# Altium PCB PCB1.PcbDoc (part 1 of 2) (continued)
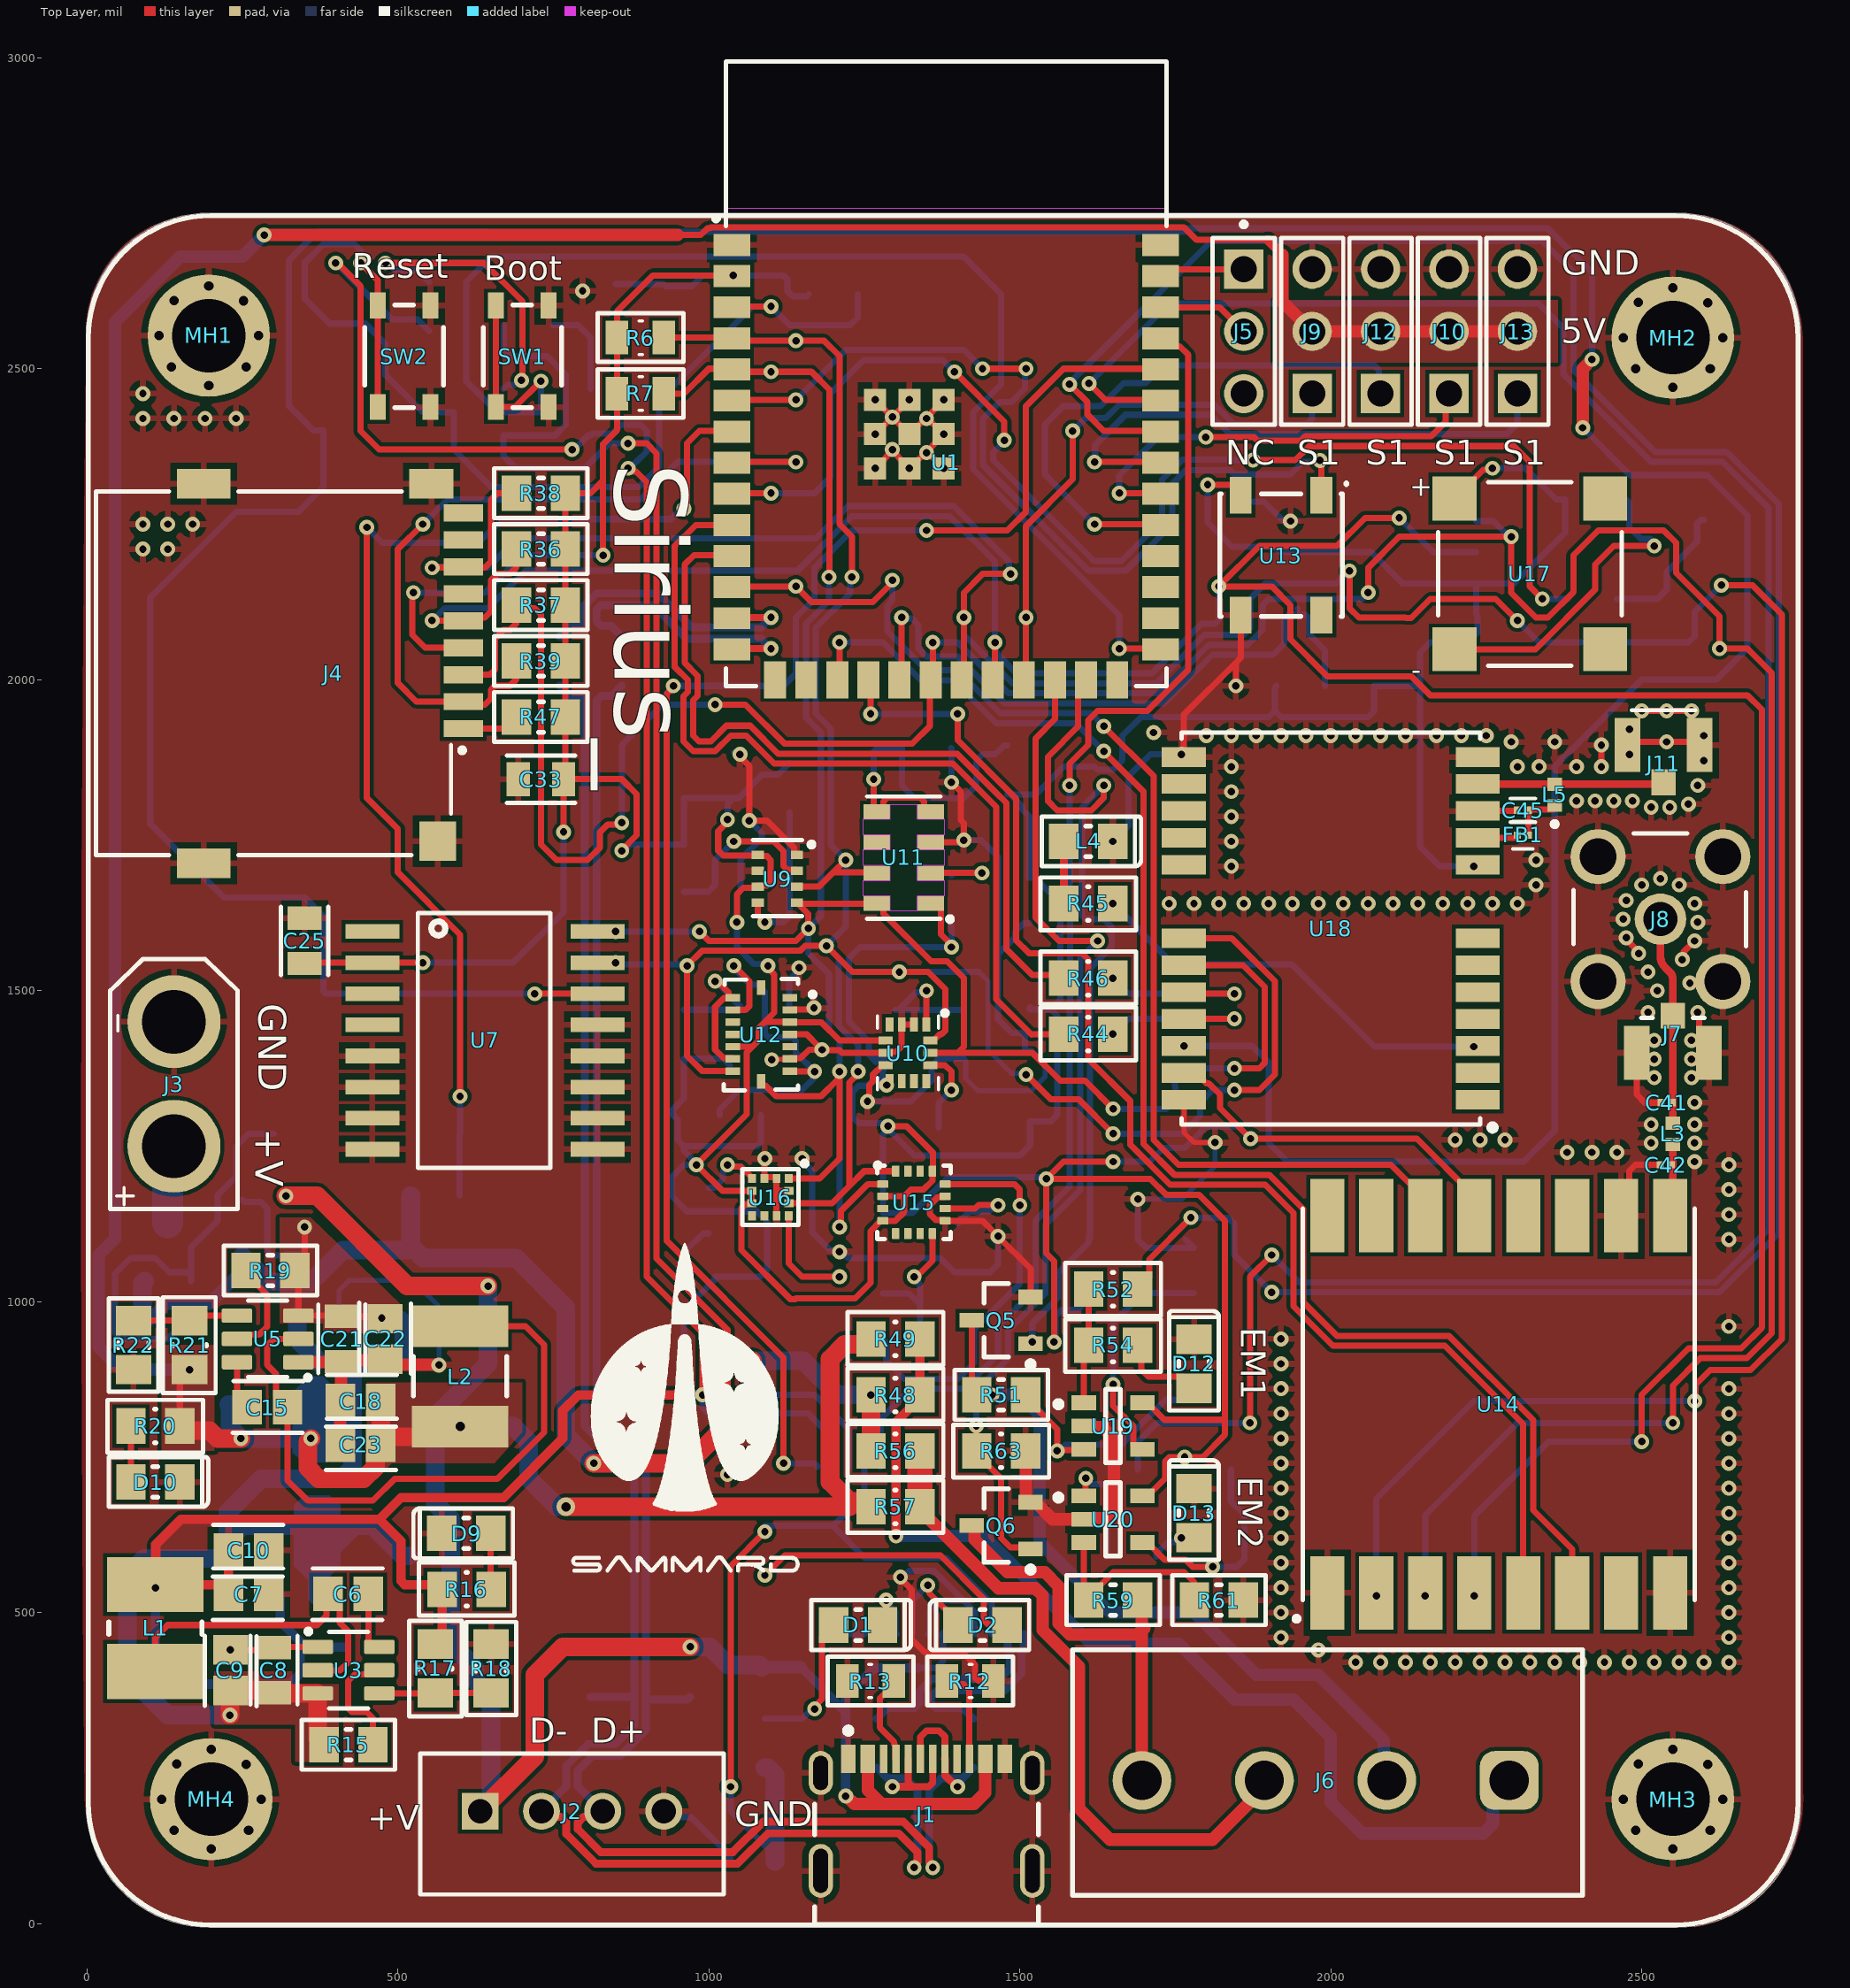
[diagram p0: Top Layer view]
## Part data (continued)
J3: library part "XT30 Connector"
J4: "Micro SD Card Connector, 9 Positions, Connector and Ejector, Push In, Auto Eject Out, Surface Mount, 1.8 mm Height Above Board, Gold Flash", Package=None, Check_prices=https://www.snapeda.com/parts/MSD-1-A/CUI+Devices/view-part/?ref=eda, CUI_purchase_URL=https://www.cuidevices.com/product/interconnect/connectors/memory-card-connectors/sd-card-connectors/msd-1-a?utm_source=snapeda.com&utm_medium=referral&utm_campaign=snapedaBOM, MF="CUI Devices", MP=MSD-1-A, SnapEDA_Link=https://www.snapeda.com/parts/MSD-1-A/CUI+Devices/view-part/?ref=snap
J5 J9 J10 J12 J13: library part "Header 3pin"
J6: library part "screw terminal", "5.08 pitch"
J7 J11: "ufl connector", Package=None, Availability=Unavailable, MP=CONUFL001-SMD-T, Price=None
J8: library part SMA_CONNECTOR, "Straight SMA Connector", Package=None, Availability=Unavailable, MP=altium_native_batch, Price=None
L1: library part "2.2uH Inductor", "SWPA4030S2R2MT-Sunlord-2.2uH 2.95A 20% 39mOhm Shielded Wirewound Power Inductor SMD", Case Code (Imperial)=0805, Case Code (Metric)=2012, Current Rating=600mA, DC Resistance (DCR)=340mR, Inductance Tolerance=20%, Max Operating Temperature=125°C, Min Operating Temperature=-55°C, Package Quantity=4000, Self Resonant Frequency=50MHz, Test Frequency=1MHz, Case/Package=0805, Core Material=Ferrite, DC Current=600mA, Depth=1.45mm, Height=0.5mm, Height - Seated (Max)=0.022inch, Inductance=2.2uH, Lead Free="Lead Free", Length=2mm, Max DC Current=600mA, Military Standard=Not, Mount="Surface Mount", Packaging="Tape and Reel", Radiation Hardening=No, Rated Current-Max=600mA, REACH SVHC="No SVHC", RoHS Compliant=Yes, Series=LQM21PN_CO, Shielding=Shielded, Termination=SMD/SMT, Tolerance=20%, Width=0.049inch
L2: library part "3.3uH Inductor", "SWPA5020S3R3MT-Sunlord-3.3uH 2.5A 20% 56mOhm Shielded Wirewound Power Inductor SMD", Case Code (Imperial)=0805, Case Code (Metric)=2012, Current Rating=600mA, DC Resistance (DCR)=340mR, Inductance=2.2uH, Inductance Tolerance=20%, Max Operating Temperature=125°C, Min Operating Temperature=-55°C, Package Quantity=4000, Self Resonant Frequency=50MHz, Test Frequency=1MHz, Case/Package=0805, Core Material=Ferrite, DC Current=600mA, Depth=1.45mm, Height=0.5mm, Height - Seated (Max)=0.022inch, Lead Free="Lead Free", Length=2mm, Max DC Current=600mA, Military Standard=Not, Mount="Surface Mount", Packaging="Tape and Reel", Radiation Hardening=No, Rated Current-Max=600mA, REACH SVHC="No SVHC", RoHS Compliant=Yes, Series=LQM21PN_CO, Shielding=Shielded, Termination=SMD/SMT, Tolerance=20%, Width=0.049inch
L3: library part "10nH Inductor", "0402"
L4: library part "LED Green", "Green 0805"
L5: library part "27nH Inductor", "0402"
MH1 MH2 MH3 MH4: library part PMH, "PMH 3.0mm"
Q1 Q2 Q4: library part SS8050-G, "Trans Gp Bjt NPN 25V 1.5A 300MW 3-PIN SOT-23 T/r", Case/Package=TO-236-3, Collector Base Voltage (VCBO)=40V, Collector Emitter Breakdown Voltage=25V, Collector Emitter Saturation Voltage=500mV, Collector-emitter Voltage-Max=400mV, Emitter Base Voltage (VEBO)=5V, Manufacturer=Comchip, Max Collector Current=1.5A, Max Operating Temperature=150°C, Max Power Dissipation=300mW, Supplier Part Number=641-1790-1-ND, Transition Frequency=100MHz, Category=Transistors, ComponentLink1Description="http://www.comchiptech.com/admin/files/product/SS8050-G RevA181526.pdf?src-supplier=Digikey", ComponentLink1URL="http://www.comchiptech.com/admin/files/product/SS8050-G RevA181526.pdf?src-supplier=Digikey", Height=1.15mm, hFE Min=200, Manufacturer Part Number=SS8050-G, Max Breakdown Voltage=25V, Mounting Technology="Surface Mount", Number of Elements=1, Packaging="Cut Tape", Power Dissipation=300mW, Pricing="1=0.24, 10=0.148, 100=0.0921, 500=0.06754, 1000=0.05958 (USD)", RoHS=Yes, RoHS Compliant=Yes, Series=-, Stock=150601, Supplier=Digikey
Q3: "MOSFET, Power,P-Ch,VDSS -20V,RDS(ON) 0.031Ohm,ID -3.7A,TO-236 (SOT-23),PD 0.75W", Package="SOT-23-3 Vishay Siliconix", Check_prices=https://www.snapeda.com/parts/SI2323DS-T1-E3/Vishay/view-part/?ref=eda, MF="Vishay Siliconix", MP=SI2323DS-T1-E3, SnapEDA_Link=https://www.snapeda.com/parts/SI2323DS-T1-E3/Vishay/view-part/?ref=snap
Q5 Q6: library part "N Mosfet", "WNM2021-Slkor-20V 2.3A 86mΩ@2.5V,1A 200mW 1.2V 1 N-channel SOT-323 MOSFETs ROHS", Package="SOT-23-3 Vishay Siliconix", Check_prices=https://www.snapeda.com/parts/SI2323DS-T1-E3/Vishay/view-part/?ref=eda, MF="Vishay Siliconix", MP=SI2323DS-T1-E3, SnapEDA_Link=https://www.snapeda.com/parts/SI2323DS-T1-E3/Vishay/view-part/?ref=snap
R1 R2 R3 R14 R15 R18 R19 R22 R24 R26 R31 R32 R33 R34 R36 R37 R38 R39 R47 R51 R53 R59 R61: library part RC0805FR-0710KL, "10 kOhm, SMD Chip Resistor, ï¿½ 1%, 125 mW, 0805 [2012 Metric], Thick Film, General Purpose", Case Code (Imperial)=0805, Case Code (Metric)=2012, Manufacturer=Yageo, Max Operating Temperature=155°C, Max Power Dissipation=125mW, Min Operating Temperature=-55°C, Package Quantity=1, Resistance Tolerance=1%, Resistor Type="Thick Film", Supplier Part Number=3310877, Temperature Coefficient=100ppm/°C, Voltage Rating=150V, Case/Package=0805, Category="Chip SMD Resistors", ComponentLink1Description=https://datasheet.ciiva.com/11808/0900766b8106beab-11808151.pdf?src-supplier=Rs, ComponentLink1URL=https://datasheet.ciiva.com/11808/0900766b8106beab-11808151.pdf?src-supplier=Rs, ComponentLink2Description=https://datasheet.ciiva.com/46447/444164-46447563.pdf?src-supplier=Element14, ComponentLink2URL=https://datasheet.ciiva.com/46447/444164-46447563.pdf?src-supplier=Element14, ComponentLink3Description=https://datasheet.ciiva.com/2456/pyu-r-int-thick-7-2456973.pdf?src-supplier=Digikey, ComponentLink3URL=https://datasheet.ciiva.com/2456/pyu-r-int-thick-7-2456973.pdf?src-supplier=Digikey, ComponentLink4Description=https://datasheet.ciiva.com/2456/pyu-r-int-thick-7-2456974.pdf?src-supplier=Digikey, ComponentLink4URL=https://datasheet.ciiva.com/2456/pyu-r-int-thick-7-2456974.pdf?src-supplier=Digikey, ComponentLink5Description=https://datasheet.ciiva.com/2456/pyu-r-int-thick-7-2456972.pdf?src-supplier=Digikey, ComponentLink5URL=https://datasheet.ciiva.com/2456/pyu-r-int-thick-7-2456972.pdf?src-supplier=Digikey, ComponentLink6Description=https://datasheet.ciiva.com/12669/rc0805-12669688.pdf?src-supplier=Mouser, ComponentLink6URL=https://datasheet.ciiva.com/12669/rc0805-12669688.pdf?src-supplier=Mouser, ComponentLink7Description=https://datasheet.ciiva.com/16747/rc0805-16747087.pdf?src-supplier=Future+Electronics, ComponentLink7URL=https://datasheet.ciiva.com/16747/rc0805-16747087.pdf?src-supplier=Future+Electronics, Construction=Rectangular, Depth=1.25mm, Features="Moisture Resistant", Height=0.024inch, Lead Free="Lead Free", Length=0.079inch, Manufacturer Part Number=RC0805FR-0710KL, Military Standard=Not, Number of Terminations=2, Packaging="Tape and Reel", Power Rating=125mW, Pricing="5000=0.0021, 20000=0.002, 100000=0.0019, 200000=0.0018, 625000=0.0017 (USD)", Reach SVHC Compliant=Unknown, RoHS=Yes, RoHS Compliant=Yes, Series=RC, Stock=15945000, Supplier="Future Electronics", Technology="THICK FILM", Termination=SMD/SMT, Tolerance=1%, Voltage Rating (AC)=150V, Width=0.049inch
R4 R5 R25 R28 R29 R35 R48 R49 R56 R57: library part CRCW08050000Z0EA, "0 Ohm Resistor, Jumper, 0805 [2012 Metric], Thick Film, 125 mW, Surface Mount", Case Code (Imperial)=0805, Case Code (Metric)=2012, Manufacturer=Vishay, Max Operating Temperature=155°C, Max Power Dissipation=125mW, Min Operating Temperature=-55°C, Package Quantity=1, Resistance Tolerance=1%, Resistor Type="Thick Film", Temperature Coefficient=100ppm/°C, Voltage Rating=150V, Case/Package=0805, Category="Chip SMD Resistors", ComponentLink1Description=https://datasheet.ciiva.com/11811/0900766b80d98b26-11811304.pdf?src-supplier=Rs, ComponentLink1URL=https://datasheet.ciiva.com/11811/0900766b80d98b26-11811304.pdf?src-supplier=Rs, ComponentLink2Description=https://datasheet.ciiva.com/7841/1720486-7841839.pdf?src-supplier=Element14, ComponentLink2URL=https://datasheet.ciiva.com/7841/1720486-7841839.pdf?src-supplier=Element14, ComponentLink3Description=https://datasheet.ciiva.com/26314/fld-crcw-e3-data-en-26314630.pdf?src-supplier=Distrelec, ComponentLink3URL=https://datasheet.ciiva.com/26314/fld-crcw-e3-data-en-26314630.pdf?src-supplier=Distrelec, ComponentLink4Description=https://datasheet.ciiva.com/7841/1697337-7841629.pdf?src-supplier=Element14, ComponentLink4URL=https://datasheet.ciiva.com/7841/1697337-7841629.pdf?src-supplier=Element14, ComponentLink5Description=https://datasheet.ciiva.com/2463/dcrcwe3-2463038.pdf?src-supplier=Digikey, ComponentLink5URL=https://datasheet.ciiva.com/2463/dcrcwe3-2463038.pdf?src-supplier=Digikey, ComponentLink6Description=https://datasheet.ciiva.com/2463/dcrcwe3-2463039.pdf?src-supplier=Digikey, ComponentLink6URL=https://datasheet.ciiva.com/2463/dcrcwe3-2463039.pdf?src-supplier=Digikey, ComponentLink7Description=https://datasheet.ciiva.com/2463/dcrcwe3-2463037.pdf?src-supplier=Digikey, ComponentLink7URL=https://datasheet.ciiva.com/2463/dcrcwe3-2463037.pdf?src-supplier=Digikey, ComponentLink8Description=https://datasheet.ciiva.com/16719/70201119-16719706.pdf?src-supplier=Allied+Electronics, ComponentLink8URL=https://datasheet.ciiva.com/16719/70201119-16719706.pdf?src-supplier=Allied+Electronics, ComponentLink9Description=https://datasheet.ciiva.com/5543/dcrcwe3-109170-5543096.pdf?src-supplier=Mouser, ComponentLink9URL=https://datasheet.ciiva.com/5543/dcrcwe3-109170-5543096.pdf?src-supplier=Mouser, ComponentLink10Description=https://datasheet.ciiva.com/16389/dcrcwe3-16389338.pdf?src-supplier=Future+Electronics, ComponentLink10URL=https://datasheet.ciiva.com/16389/dcrcwe3-16389338.pdf?src-supplier=Future+Electronics, Construction=Rectangular, Contact Plating=Tin, Depth=1.25mm, Features="Automotive AEC-Q200", Height=0.45mm, Lead Free=5697LeadFree, Length=2mm, Manufacturer Part Number=CRCW08050000Z0EA, Military Standard=Not, Number of Terminations=2, Packaging="Tape and Reel", Power Rating=125mW, Pricing="5000=0.0051, 10000=0.005, 15000=0.0049, 25000=0.0045 (USD)", Radiation Hardening=No, Reach SVHC Compliant=Unknown, RoHS=Yes, RoHS Compliant=Yes, Series=CRCW, Stock=1390000, Supplier="Arrow Electronics", Supplier Part Number=CRCW08050000Z0EA, Technology="THICK FILM", Termination=SMD/SMT, Tolerance=1%, Voltage Rating (DC)=150V, Weight=0.000194oz, Width=0.049inch
R6 R7 R12 R13 R23 R27 R30 R40: library part RC0805FR-075K1L, "5.1k Ohm, 0805, 0.125W, 150V, 1% +/-Tol, 100ppm/Cel, Surface Mount", Case/Package=0805, Manufacturer=Yageo, Max Operating Temperature=155°C, Min Operating Temperature=-55°C, Package Height=0.5mm, Package Length=2mm, Package Shape=Rectangular, Package Width=1.25mm, Power=125mW, Rated Temperature=70°C, Resistor Type="FIXED RESISTOR", Supplier Part Number=5647425, Temperature Coefficient (ppm/Cel)=100, Tolerance=1%, Working Voltage=150V, Additional Feature="LASER TRIMMABLE", Category="Chip SMD Resistors", ComponentLink1Description=https://datasheet.ciiva.com:443/pdfs/VipMasterIC/IC/YAGO/YAGO-S-A0008145938/YAGO-S-A0008145938-1.pdf?src-supplier=IHS+Markit, ComponentLink1URL=https://datasheet.ciiva.com:443/pdfs/VipMasterIC/IC/YAGO/YAGO-S-A0008145938/YAGO-S-A0008145938-1.pdf?src-supplier=IHS+Markit, ComponentLink2Description=https://datasheet.ciiva.com/11808/0900766b8106beab-11808171.pdf?src-supplier=Rs, ComponentLink2URL=https://datasheet.ciiva.com/11808/0900766b8106beab-11808171.pdf?src-supplier=Rs, ComponentLink3Description=https://datasheet.ciiva.com/2456/pyu-r-int-thick-7-2456979.pdf?src-supplier=Digikey, ComponentLink3URL=https://datasheet.ciiva.com/2456/pyu-r-int-thick-7-2456979.pdf?src-supplier=Digikey, ComponentLink4Description=https://datasheet.ciiva.com/2456/pyu-r-int-thick-7-2456980.pdf?src-supplier=Digikey, ComponentLink4URL=https://datasheet.ciiva.com/2456/pyu-r-int-thick-7-2456980.pdf?src-supplier=Digikey, ComponentLink5Description=https://datasheet.ciiva.com/15189/getdatasheetpartid-326574-15189996.pdf?src-supplier=Verical, ComponentLink5URL=https://datasheet.ciiva.com/15189/getdatasheetpartid-326574-15189996.pdf?src-supplier=Verical, ComponentLink6Description=https://datasheet.ciiva.com/2456/pyu-r-int-thick-7-2456978.pdf?src-supplier=Digikey, ComponentLink6URL=https://datasheet.ciiva.com/2456/pyu-r-int-thick-7-2456978.pdf?src-supplier=Digikey, Construction=Chip, JESD-609 Code=e3, Manufacturer Part Number=RC0805FR-075K1L, Mounting Technology="Surface Mount", Packaging="Tape and Reel", Pins=2, Pricing="5000=0.0021, 20000=0.002, 100000=0.0019, 200000=0.0018, 625000=0.0017 (USD)", Reach SVHC Compliant=Yes, RoHS=Yes, RoHS Compliant=Yes, Stock=15000, Supplier="Future Electronics", Technology="METAL GLAZE/THICK FILM", Terminal Finish=Nickel, Termination=Wraparound
R8 R9 R44 R46: library part RT0805FRE0727RL, "27 Ohm, Res Thin Film 0805 1% 1/8W ±50ppm/°C Molded SMD SMD Paper T/R", Case Code (Imperial)=0805, Case Code (Metric)=2012, Manufacturer=Yageo, Max Operating Temperature=125°C, Max Power Dissipation=125mW, Min Operating Temperature=-55°C, Package Quantity=5000, Resistance Tolerance=1%, Resistor Type="Thin Film", Supplier Part Number=9105398, Temperature Coefficient=50ppm/°C, Voltage Rating=150V, Case/Package=0805, Category="Chip SMD Resistors", ComponentLink1Description=https://datasheet.ciiva.com/2561/pyu-rt-1-to-0-05-rohs-l-5-2561109.pdf?src-supplier=Digikey, ComponentLink1URL=https://datasheet.ciiva.com/2561/pyu-rt-1-to-0-05-rohs-l-5-2561109.pdf?src-supplier=Digikey, ComponentLink2Description=https://datasheet.ciiva.com/8889/pyu-rt-1-to-0-05-rohs-l-4-8889865.pdf?src-supplier=Avnet, ComponentLink2URL=https://datasheet.ciiva.com/8889/pyu-rt-1-to-0-05-rohs-l-4-8889865.pdf?src-supplier=Avnet, ComponentLink3Description=https://datasheet.ciiva.com/7942/1392914-7942123.pdf?src-supplier=Element14, ComponentLink3URL=https://datasheet.ciiva.com/7942/1392914-7942123.pdf?src-supplier=Element14, ComponentLink4Description=https://datasheet.ciiva.com/7942/1392914-7942124.pdf?src-supplier=Element14, ComponentLink4URL=https://datasheet.ciiva.com/7942/1392914-7942124.pdf?src-supplier=Element14, Contact Plating=Tin,Matte, Height=0.024inch, Length=0.079inch, Manufacturer Part Number=RT0805FRE0727RL, Number of Terminations=2, Packaging="Tape and Reel", Pins=2, Power Rating=125mW, Pricing="5000=0.0055, 20000=0.0053, 50000=0.0051, 125000=0.005, 200000=0.0048 (USD)", Reach SVHC Compliant=Unknown, RoHS=Yes, RoHS Compliant=Yes, Series=RT, Stock=30000, Supplier="Future Electronics", Termination=SMD/SMT, Tolerance=1%, Voltage Rating (DC)=150V, Width=0.049inch
R10 R11 R16 R20 R42 R45 R50 R52 R54 R55 R58 R60 R62 R63: library part RC0805FR-071KL, "1k Ohm, 0805, SMD Chip Resistor , ï¿½ 1%, 125 mW,[2012 Metric], Thick Film, General Purpose", Case Code (Imperial)=0805, Case Code (Metric)=2012, Manufacturer=Yageo, Max Operating Temperature=155°C, Max Power Dissipation=125mW, Min Operating Temperature=-55°C, Package Quantity=1, Resistance Tolerance=1%, Resistor Type="Thick Film", Supplier Part Number=8126013, Temperature Coefficient=100ppm/°C, Voltage Rating=150V, Case/Package=0805, Category="Chip SMD Resistors", Construction=Rectangular, Depth=1.25mm, Features="Moisture Resistant", Height=0.024inch, Lead Free="Lead Free", Length=0.079inch, Manufacturer Part Number=RC0805FR-071KL, Military Standard=Not, Number of Terminations=2, Packaging="Tape and Reel", Pins=2, Power Rating=125mW, Pricing="5000=0.0021, 20000=0.002, 100000=0.0019, 200000=0.0018, 625000=0.0017 (USD)", Reach SVHC Compliant=No, RoHS=Yes, RoHS Compliant=Yes, Series=RC, Stock=5450000, Supplier="Future Electronics", Termination=SMD/SMT, Tolerance=1%, Voltage Rating (AC)=150V, Voltage Rating (DC)=150V, Width=0.049inch
R17 R21: "0805"
R41: library part "22k Resistor", "0805"
R43: library part "15k Resistor", "0805"
SW1 SW2: library part "Oval Switch", "PTS810SJG250SMTRLFS, Keypad Switch, 1 Switches, SPST, Momentary-tactile, 0.05A, 16VDC, 4.9N, Solder Terminal, Surface Mount-straight", Actuator Color=Blue, Contact Resistance=0.5mR, Dielectric Withstand Volts=250VACV, Insulation Resistance=100MR, Manufacturer="ITT C&K", Manufacturer Part Number=PTS810SJG250SMTRLFS, Max Operating Temperature=85°C, Min Operating Temperature=-40°C, Supplier Part Number=CKN10504CT-ND, Actuator Length=0.028inch, Actuator Travel=0.2032mm, Actuator Type=Pushbutton, Category="Tactile Switches", ComponentLink1Description=https://datasheet.ciiva.com:443/pdfs/VipMasterIC/IC/CKCI/CKCI-S-A0001404160/CKCI-S-A0001797319-1.pdf?src-supplier=IHS+Markit, ComponentLink1URL=https://datasheet.ciiva.com:443/pdfs/VipMasterIC/IC/CKCI/CKCI-S-A0001404160/CKCI-S-A0001797319-1.pdf?src-supplier=IHS+Markit, ComponentLink2Description=https://datasheet.ciiva.com/18514/pts810-4mar13-18514165.pdf?src-supplier=Digikey, ComponentLink2URL=https://datasheet.ciiva.com/18514/pts810-4mar13-18514165.pdf?src-supplier=Digikey, ComponentLink3Description=https://datasheet.ciiva.com/18514/pts810-4mar13-18514166.pdf?src-supplier=Digikey, ComponentLink3URL=https://datasheet.ciiva.com/18514/pts810-4mar13-18514166.pdf?src-supplier=Digikey, ComponentLink4Description=https://datasheet.ciiva.com/18514/pts810-4mar13-18514167.pdf?src-supplier=Digikey, ComponentLink4URL=https://datasheet.ciiva.com/18514/pts810-4mar13-18514167.pdf?src-supplier=Digikey, Electrical Life=100000Cycles, JESD-609 Code=e4, Mounting Technology="Surface Mount", Pricing="1=0.55, 10=0.478, 25=0.452, 100=0.4154, 250=0.39256, 500=0.37598, 1000=0.36001 (USD)", Reach SVHC Compliant=Yes, RoHS=Yes, RoHS Compliant=Yes, Solderability=REFLOW, Stock=44414, Supplier=Digikey, Switch Action=MOMENTARY, Switch Function=SPST, Switch Type=Keypad, Terminal Finish=Silver, Termination=Solder
U1: "SMD Module, ESP32-S3, 4 mb Spi F", Manufacturer="Espressif Systems", Manufacturer Part Number=ESP32-S3-WROOM-1-N4, Supplier Part Number=1965-ESP32-S3-WROOM-1-N4CT-ND, Category=LDO, ComponentLink1Description=https://datasheet.octopart.com/ESP32-S3-WROOM-1-N4-Espressif-Systems-datasheet-165560563.pdf?src-supplier=TME, ComponentLink1URL=https://datasheet.octopart.com/ESP32-S3-WROOM-1-N4-Espressif-Systems-datasheet-165560563.pdf?src-supplier=TME, Pricing="1=2.95 (USD)", RoHS=No, Stock=2269, Supplier=Digikey
U2: "USB Bus Controller, CMOS, PDSO28", Case/Package=SSOP, Clock Frequency=48MHz, Manufacturer=FTDI, Max Operating Temperature=85°C, Max Supply Current=100uA, Max Supply Voltage=5.25V, Min Operating Temperature=-40°C, Min Supply Voltage=3.3V, Package Body Material=Plastic, Package Shape=Rectangular, Package Style="SMALL OUTLINE, SHRINK PITCHMeter", Supplier Part Number=768-1007-1-ND, Temperature Grade=INDUSTRIAL, Category="Interface ICs", ComponentLink1Description=https://datasheet.ciiva.com:443/pdfs/VipMasterIC/IC/FTDI/FTDI-S-A0007980421/FTDI-S-A0007980421-1.pdf?src-supplier=IHS+Markit, ComponentLink1URL=https://datasheet.ciiva.com:443/pdfs/VipMasterIC/IC/FTDI/FTDI-S-A0007980421/FTDI-S-A0007980421-1.pdf?src-supplier=IHS+Markit, ComponentLink2Description=https://datasheet.ciiva.com/4787/ds-ft232r-11534-4787658.pdf?src-supplier=Mouser, ComponentLink2URL=https://datasheet.ciiva.com/4787/ds-ft232r-11534-4787658.pdf?src-supplier=Mouser, ComponentLink3Description=https://datasheet.ciiva.com/15150/getdatasheetpartid-643207-15150506.pdf?src-supplier=Verical, ComponentLink3URL=https://datasheet.ciiva.com/15150/getdatasheetpartid-643207-15150506.pdf?src-supplier=Verical, ComponentLink4Description=https://datasheet.ciiva.com/1787/ds-ft232r-1787048.pdf?src-supplier=Digikey, ComponentLink4URL=https://datasheet.ciiva.com/1787/ds-ft232r-1787048.pdf?src-supplier=Digikey, ComponentLink5Description=https://datasheet.ciiva.com/1787/ds-ft232r-1787047.pdf?src-supplier=Digikey, ComponentLink5URL=https://datasheet.ciiva.com/1787/ds-ft232r-1787047.pdf?src-supplier=Digikey, ComponentLink6Description=https://datasheet.ciiva.com/1787/ds-ft232r-1787049.pdf?src-supplier=Digikey, ComponentLink6URL=https://datasheet.ciiva.com/1787/ds-ft232r-1787049.pdf?src-supplier=Digikey, ComponentLink7Description=https://datasheet.ciiva.com/16200/ds-ft232r-16200652.pdf?src-supplier=Future+Electronics, ComponentLink7URL=https://datasheet.ciiva.com/16200/ds-ft232r-16200652.pdf?src-supplier=Future+Electronics, Height - Seated (Max)=2mm, JESD-30 Code=R-PDSO-G28, Length=10.2mm, Manufacturer Part Number=FT232RL-REEL, Moisture Sensitivity Level=3, Pins=28, Pricing="1=4.8, 10=4.35, 50=4.15, 100=3.95, 250=3.55, 500=3.15002, 1000=2.95001, 2000=2.95002 (USD)", Qualification Status="Not Qualified", Reach SVHC Compliant=Yes, RoHS=Yes, RoHS Compliant=Yes, Stock=4321, Supplier=Digikey, Surface Mount=Yes, Technology=CMOS, Terminal Form="Gull Wing", Terminal Pitch=0.65mm, Terminal Position=DUAL, Width=5.3mm
U3 U5: "4.5 V to 17 V input, 3 A output, synchronous step-down converter in Eco-mode", Package="SOT-23-THN-6 Texas Instruments", Check_prices=https://www.snapeda.com/parts/TPS563201DDCR/Texas+Instruments/view-part/?ref=eda, MF="Texas Instruments", MP=TPS563201DDCR, SnapEDA_Link=https://www.snapeda.com/parts/TPS563201DDCR/Texas+Instruments/view-part/?ref=snap
U4: library part HT7833, "3V3 Voltage Regulator"
U6: "SOT89"
U7: library part DS3231, "Real Time Clock (RTC) IC Clock/Calendar - IÂ²C, 2-Wire Serial 8-SOIC (0.154, 3.90mm Width)", Package="SOIC-16 Maxim Integrated", Availability="In Stock", Check_prices=https://www.snapeda.com/parts/DS3231/Maxim+Integrated/view-part/?ref=eda, MF="Maxim Integrated", MP=DS3231, Price=None, Purchase-URL=https://pricing.snapeda.com/search/part/DS3231/?ref=eda, SnapEDA_Link=https://www.snapeda.com/parts/DS3231/Maxim+Integrated/view-part/?ref=snap
U8: library part "W25Q128JVSIQ TR", "16MB (128Mb) Flash, PDSO8", Case/Package=SOP, Clock Frequency=133MHz, Manufacturer=Winbond, Max Operating Temperature=85°C, Max Supply Voltage=3.6V, Min Operating Temperature=-40°C, Min Supply Voltage=2.7V, Nominal Supply Voltage=3V, Operating Mode=SYNCHRONOUS, Package Body Material=Plastic, Package Shape=Square, Package Style="SMALL OUTLINEMeter", Supplier Part Number=W25Q128JVSIQCT-ND, Temperature Grade=INDUSTRIAL, Category=Flash, Channels=1, ComponentLink1Description=https://datasheet.ciiva.com:443/pdfs/VipMasterIC/IC/WBND/WBND-S-A0002933800/WBND-S-A0002933800-1.pdf?src-supplier=IHS+Markit, ComponentLink1URL=https://datasheet.ciiva.com:443/pdfs/VipMasterIC/IC/WBND/WBND-S-A0002933800/WBND-S-A0002933800-1.pdf?src-supplier=IHS+Markit, ComponentLink2Description=http://www.winbond.com/resource-files/w25q128jv%20revf%2003272018%20plus.pdf?src-supplier=Digikey, ComponentLink2URL=http://www.winbond.com/resource-files/w25q128jv%20revf%2003272018%20plus.pdf?src-supplier=Digikey, ComponentLink3Description=http://www.winbond.com/resource-files/w25q128jv%20spi%20revc%2011162016.pdf?src-supplier=Digikey, ComponentLink3URL=http://www.winbond.com/resource-files/w25q128jv%20spi%20revc%2011162016.pdf?src-supplier=Digikey, Density=134217728b, Height - Seated (Max)=2.16mm, JESD-30 Code=S-PDSO-G8, Length=5.23mm, Manufacturer Part Number="W25Q128JVSIQ TR", Memory Format=FLASH, Memory Size=16777216, Memory Width=8, Number of Words Code=16M, Organization=16MX8, Parallel/Serial=SERIAL, Pins=8, Pricing="1=1.57, 10=1.472, 25=1.4304, 50=1.3988, 100=1.3668, 250=1.32448, 500=1.2926, 1000=1.26092, 2000=1.22957, 4000=1.19866, 6000=1.18081 (USD)", Programming Voltage=3V, Reach SVHC Compliant=Yes, RoHS=Yes, RoHS Compliant=Yes, Stock=210919, Supplier=Digikey, Surface Mount=Yes, Technology=CMOS, Terminal Form="Gull Wing", Terminal Pitch=1.27mm, Terminal Position=DUAL, Type="NOR TYPE", Width=5.23mm
U9: "BMP280 Absolute Barometric Pressure Sensor for Battery Powered Devices 2 x 2.5mm", Package=None, Availability=Unavailable, MP=BMP280, Price=None
U10: "Accelerometer, Gyroscope, Temperature, 6 Axis Sensor IÂ²C, SPI Output", Package="VFLGA-14 STMicroelectronics", Check_prices=https://www.snapeda.com/parts/LSM6DSO32TR/STMicroelectronics/view-part/?ref=eda, MF=STMicroelectronics, MP=LSM6DSO32TR, SnapEDA_Link=https://www.snapeda.com/parts/LSM6DSO32TR/STMicroelectronics/view-part/?ref=snap
U11: library part MS561101BA03-50, "Sensor;MS5611-BT M-CAPS 3X5X1MM T&R;Pressure;MS561101BA03-50", Package="SMD-8 Measurement Specialties", Check_prices=https://www.snapeda.com/parts/MS561101BA03-50/TE+Connectivity+ALCOSWITCH+Switches/view-part/?ref=eda, MF="TE Connectivity", MP=MS561101BA03-50, SnapEDA_Link=https://www.snapeda.com/parts/MS561101BA03-50/TE+Connectivity+ALCOSWITCH+Switches/view-part/?ref=snap
U12: "High-performance 6-axis inertial sensor (accelerometer + gyroscope) <a href=\"https://pricing.snapeda.com/parts/BMI088/Bosch%20Sensortec/view-part?ref=eda\">Check prices</a>", Package=None, Availability=Unavailable, MP=BMI088, Price=None
U13: library part WS2812B, "Intelligent Control LED Integrated Light Source, 3.5 to 5.3 V, -25 to 80 degC, 4-Pin SMD, RoHS, Tape and Reel", Color=Red,Green,Blue(RGB), Manufacturer=Adafruit-Industries-LLC, Package Description="4-Pin Surface Mount Device, Body 5 x 5 mm", Package Reference=1655, Category=Optoelectronics, Configuration=Discrete, Controller Type=-, Datasheet URL=http://datasheet.octopart.com/ADA1655-Adafruit-Industries-datasheet-32028139.pdf, Datasheet Version=May-13, Family=Addressable,Specialty, Interface=-, Manufacturer URL=https://www.adafruit.com/, Mounting Type=SurfaceMount, Number of LEDs=10, Series=Neopixel, Size / Dimension=5.00mmLx5.00mmW, Utilized LED=WS2812(5050)
U14: "RFM95(W) - Low Power Long Range Transceiver Module V1.0", Package=None, Availability=Unavailable, MP=RFM95W-915S2, Price=None
U15: "Board Mount Hall Effect / Magnetic Sensors Sensors, Transducers Magnetic - Hall Effect, Digital Switch, Linear, Compass (ICs) - IC COMPASS 3 AXIS I2C 16LCC SMD", Package="LCC-16 STMicroelectronics", Availability="Not in stock", Check_prices=https://www.snapeda.com/parts/HMC5883LTR/STMicroelectronics/view-part/?ref=eda, MF=STMicroelectronics, MP=HMC5883LTR, Price=None, SnapEDA_Link=https://www.snapeda.com/parts/HMC5883LTR/STMicroelectronics/view-part/?ref=snap
U16: "Magnetoresistive Sensor X, Y, Z Axis 12-LGA _2x2_", Package="VFLGA-12 STMicroelectronics", Availability=Unavailable, MF=STMicroelectronics, MP=LIS3MDLTR, Price=None, SnapEDA_Link=https://www.snapeda.com/parts/LIS3MDLTR/STMicroelectronics/view-part/382740/?ref=snap
U17: library part "Buzzer CMT-7525-80-SMT-TR", "7.5 mm, 3.6 Vo-p, 80 dB, Surface Mount (SMT), Magnetic Audio Transducer Buzzer", Package="CUI Devices", Check_prices=https://www.snapeda.com/parts/CMT-7525-80-SMT-TR/CUI+Devices/view-part/?ref=eda, CUI_purchase_URL=https://www.cuidevices.com/product/audio/buzzers/audio-transducers/cmt-7525-80-smt-tr?utm_source=snapeda.com&utm_medium=referral&utm_campaign=snapedaBOM, Digi-Key_Part_Number=102-CMT-7525-80-SMT-TR-ND, MF="CUI Devices", MP=CMT-7525-80-SMT-TR, Purchase-URL=https://pricing.snapeda.com/search/part/CMT-7525-80-SMT-TR/?ref=eda, SnapEDA_Link=https://www.snapeda.com/parts/CMT-7525-80-SMT-TR/CUI+Devices/view-part/?ref=snap
U18: "Ic Receiver Gps/Gnss 24lcc", Package=None, Availability=Unavailable, MP=NEO-M8N-0, Price=None
U19 U20: library part "Comparator MAX9075", "Comparator MAX9075 SOT23-5"

## Via types
v1: diameter 24, hole 12, Top Layer to Bottom Layer, tented both sides, 362 vias
v2: diameter 20, hole 15, Top Layer to Bottom Layer, tented both sides, 32 vias
v3: diameter 30, hole 15, Top Layer to Bottom Layer, tented both sides, 2 vias

## Nets (pads, with @x,y where several pads share a name; then routed paths per layer and width w, separated by ;. In a path a pad name is that pad's centre, name@x,y a point inside that pad or via, vN(x,y) a via of type N, cw(c..) or ccw(c..) an arc to the next point about the centre after c; other vN are vias at no path point)
+3V3: C1.1 C2.2 C7.2 C10.2 C11.2 C12.2 C24.1 C25.1 C26.2 C27.2 C28.2 C29.2 C30.2 C31.2 C32.2 C33.2 C36.2 C37.2 C38.2 C43.2 C44.2 D11.C J4.4 L1.2 R2.2 R6.2 R7.2 R16.2 R17.2 R23.2 R24.2 R25.2 R27.2 R28.2 R29.2 R30.2 R31.2 R32.1 R36.2 R37.2 R38.2 R39.2 R40.2 R47.2 R50.2 R58.2 U1.2 U4.3 U7.2 U8.3 U8.7 U8.8 U9.6 U9.8 U10.5 U10.8 U11.1 U12.3 U12.11 U13.VDD U14.13 U15.2 U15.4 U15.13 U16.5 U16.6 U17.P U18.8 U18.23 U19.VCC U20.VCC | length 15225.3
  Top Layer w10: C25.1@350,1543.58 351.42,1545 U7.2@458.9,1545 v1(540,1545) ; v1(525,2140) 523,2138 523,2072 543.66,2051.34 J4.4@605.12,2051.34 ; v1(766.42,1755) C33.2@766.42,1840 ; v1(830,2200) 830,2320 ; v1(860,1725) 860,1726 884,1750 884,1816 860,1840 C33.2@766.42,1840 ; v1(1030,1775) 1030,1771.21 1015,1756.21 1015,1725 1023,1717 1079.89,1717 1080.39,1716.5 1093.24,1716.5 1099.35,1710.39 1099.35,1675.2 1093.24,1669.09 U9.6@1077.44,1669.09 ; U12.11@1038.27,1410 1070,1410 ; v1(1039,2650) 910,2650 852.4,2592.4 R6.2@852.4,2550 R7.2@852.4,2460 852.4,2401.2 830,2378.8 830,2320 ; v1(1045,1610) 1045,1655 1055.31,1665.31 1076.61,1665.31 U9.6@1078.5,1667.2 ; v1(1095,1540) 1095,1536.21 1105,1526.21 1105,1465 1090,1450 ; U15.2@1279.61,1169.37 1314.37,1169.37 ; U10.5@1284.07,1419.69 1283.76,1420 1210,1420 1180.63,1449.37 U12.3@1130,1449.37 1129.37,1450 1090,1450 ; v1(1288,1282) 1318,1282 1360,1240 U15.13@1360,1217.96 ; U11.1@1356.61,1640 1366.46,1640 1373.27,1633.19 1373.27,1590.52 1390,1573.79 v1(1390,1570) ; U15.13@1359.33,1209.72 1359.33,1194.33 1345,1180 1325,1180 1314.37,1169.37 ; v1(1555,935) 1555,1065.07 1542.5,1077.57 v1(1542.5,1197.5) ; v1(1650,1225) 1570,1225 v1(1542.5,1197.5) ; U20.VCC@1697.24,687.4 1705.12,687.4 1733.46,715.75 1733.46,743.46 1740,750 v1(1765,750) 1794.14,750 1830,785.86 1830,1130 1788,1172 1735.12,1172 1709.62,1197.5 v1(1542.5,1197.5) ; U19.VCC@1697.24,837.4 1705.12,837.4 1732.52,810 1829.14,810 ; U18.23@1763.78,1367.72 1783.46,1367.72 1800.02,1351.16 1803.77,1351.16 1822,1332.93 1822,1311 v1(1871,1262) 2138.28,1262 2230.63,1169.65 U14.13@2230.63,1138.15 U14.13@2230.63,1133.15 ; v1(1802,2313.5) 1842.32,2313.5 1855.04,2300.78 U13.VDD@1855.04,2296.46 ; U17.P@2198.94,2291.06 2245.2,2337.32 2257.32,2337.32 v1(2260,2340) ; C33.2@766.42,1840 769.37,1842.95 R47.2@769.37,1940 R39.2@769.37,2030 R37.2@769.37,2120 R36.2@769.37,2210 R38.2@769.37,2300 810,2300 830,2320 ; 1070,1410 1080,1420 1080,1440 1090,1450 ; 1070,1410 1060.88,1400.88 1060.88,1300.88 v1(980,1220) 1022.09,1177.91 U16.5@1068.98,1177.91 1068.98,1162.29 1063.12,1156.43 1058.62,1156.43 1052.17,1149.99 1052.17,1082.83 1130.86,1004.14 1139.14,1004.14 1140,1005 1235,1005 1260,1030 1260,1113.35 1276.65,1130 U15.4@1279.61,1130 1300,1130 1314.37,1144.37 1314.37,1169.37
  Top Layer w15: L1.2@110,545 L1.2@110.59,545 ; C10.2@227.47,600 C7.2@227.47,530 212.47,545 L1.2@110.59,545 ; R17.2@560,449.37 571.22,460.59 R16.2@571.22,537.4 563.62,545 510.86,545 505,550.86 505,615 470,650 ; v1(960,850) 790,850 765,825 765,780 670,685 505,685 470,650 ; L1.2@110.59,545 110.59,609.41 151.18,650 470,650
  Bottom Layer w10: v1(525,2140) 640,2140 700,2200 v1(830,2200) ; v1(540,1545) 685,1545 766.42,1626.42 v1(766.42,1755) ; C1.1@850,2636.42 926.11,2636.42 C2.2@930,2632.53 972.53,2632.53 990,2650 v1(1039,2650) 1120.14,2650 1126,2644.14 1126,2625 1133,2618 1134,2618 1136,2616 1156.63,2616 R2.2@1160.63,2620 ; v1(860,1725) 863.79,1725 873.79,1735 959.02,1735 R23.2@960,1734.02 C26.2@960,1810 C27.2@1040,1810 ; v1(960,850) 960,986.01 1010,1036.01 C38.2@1010,1040 R40.2@1082.4,1040 1093.58,1051.18 C37.2@1093.58,1120 1093.58,1128.86 1077.44,1145 965,1145 940,1170 940,1200 960,1220 v1(980,1220) 980,1222.63 960,1242.63 960,1250 ; v1(1030,1775) 1030,1800 C27.2@1040,1810 ; C32.2@1033.58,1380 1022.95,1390.63 R31.2@960,1390.63 960,1326.65 942.4,1309.06 R30.2@942.4,1300 950,1292.4 950,1260 960,1250 ; v1(1045,1610) 1045,1570 1072.32,1542.68 1092.32,1542.68 v1(1095,1540) ; C31.2@1083.58,1300 1083.58,1255.86 1077.72,1250 960,1250 ; R25.2@1130,1865.79 1111.38,1847.17 1086.02,1847.17 1048.86,1810 C27.2@1040,1810 ; 1269.23,1384.77 1265,1389 ; v1(1285.86,1348.11) v1@1278.98,1354.98 ; v1(1288,1282) 1283,1287 1241,1287 1231,1297 1231,1337 1241,1347 1254.88,1347 1262.86,1354.98 v1@1278.98,1354.98 ; R32.1@1290.31,1279.69 1280,1269.37 C36.2@1280,1142.83 1327.7,1142.83 1384.86,1200 1540,1200 v1(1542.5,1197.5) v1@1545,1195 ; R32.1@1290.63,1275.08 1330.71,1235 1500,1235 1516.42,1251.42 C28.2@1516.42,1290 1550,1290 1560,1300 1560,1460 1550,1470 ; R29.2@1291.77,1389 1265,1389 ; R29.2@1300,1390 1297.6,1390 1278.98,1371.38 v1@1278.98,1354.98 ; R27.2@1390,1610 v1(1390,1570) 1243,1570 1225,1552 1225,1450.25 1257,1418.25 1257,1397 1265,1389 ; R28.2@1480,1815.63 R28.2@1484.92,1815.63 ; C29.2@1516.42,1473 1516.42,1470 1550,1470 ; v1(1555,935) 1557.22,937.22 1557.22,977.22 1566.46,986.46 1592.01,986.46 1610.63,1005.08 R50.2@1610.63,1010 ; v1(1650,1225) 1709,1225 1731,1247 1765,1247 1792,1274 1792,1275.14 1797.86,1281 1852,1281 v1(1871,1262) ; v1(1802,2313.5) 1802,2252.72 1841.14,2213.58 C24.1@1850,2213.58 1908.89,2213.58 1917.47,2205 U8.3@1946.3,2205 2065,2205 2115,2155 U8.7@2233.7,2155 ; C44.2@1912.53,1990 1910,1987.47 1910,1950 ; v1(2230,1700) 2175,1700 2143.58,1731.42 C43.2@2143.58,1990 ; v1(2260,2340) 2312.52,2340 2362.52,2290 D11.C@2376.5,2290 2376.5,2236.5 2295,2155 U8.7@2233.7,2155 ; R28.2@1484.92,1815.63 1525.63,1815.63 1570,1860 1620,1860 1625,1855 1650,1855 1665,1870 1665,1910 1695,1940 1900,1940 1910,1950 ; R28.2@1484.92,1815.63 1503.54,1797.01 1503.54,1792.09 1515,1780.63 C30.2@1515,1681.42 1523.86,1681.42 1565,1640.28 1565,1485 1550,1470 ; 1910,1950 1920,1940 2060,1940 2069.37,1949.37 R24.2@2069.37,1990 C43.2@2143.58,1990 ; C43.2@2143.58,1990 2143.58,2043.58 2160,2060 2220,2060 2235.86,2075.86 2235.86,2102.84 U8.8@2233.7,2105 U8.7@2233.7,2155
  Bottom Layer w15: v1(110,540) 110,425 150,385 326.14,385 343.07,401.93 C12.2@343.07,444.69 ; U4.3@310.94,530.31 310.94,485.67 343.07,453.54 C12.2@343.07,444.69 ; C11.2@414.12,444.69 C12.2@343.07,444.69
+5V: C16.2 C17.2 C18.2 C23.2 J9.2 J10.2 J12.2 J13.2 L2.2 R20.2 R21.2 R49.2 R57.2 U6.2 | length 6212.9
  Top Layer w10: R20.2@149.37,800 149.37,875 v1(165,890.63) ; 950,2715 986.85,2715 997.39,2725.54 1000.92,2725.54 1002.92,2727.54 1763.46,2727.54 1784,2707 1898.82,2707
  Top Layer w15: 1898.82,2707 1922.41,2683.41
  Top Layer w20: v1(285,2715) 950,2715 ; 1922.41,2683.41 1922.41,2607.59 J9.2@1970,2560 J12.2@2080,2560 J10.2@2190,2560 J13.2@2300,2560
  Top Layer w30: R20.2@149.37,800 156.96,792.41 197.59,792.41 210,780 v1(247.57,780) ; v1(360,780) 355,775 355,732.57 372.57,715 445,715 463.79,733.79 463.79,761.27 C23.2@472.53,770 ; C23.2@472.53,773.99 481.26,782.72 583.43,782.72 v3(600,799.29) ; C23.2@472.53,782.72 472.53,837.53 475,840 C18.2@472.53,840 ; v3(770,670) 1226.46,670 ; R57.2@1260.63,670 1260.63,674.92 1257.01,678.54 1226.46,678.54 1195,710 1195,908.03 1218.43,931.46 1257.01,931.46 1260.63,935.08 R49.2@1260.63,940
  Bottom Layer w20: v1(165,890.63) 54.37,890.63 18.97,926.03 18.97,1075 45,1101.03 45,2575 150,2680 250,2680 v1(285,2715)
  Bottom Layer w30: C16.2@232.18,834.16 C16.2@228.19,834.16 230,832.35 230,797.57 v1(247.57,780) v1(360,780) ; C17.2@334.61,976.69 338.31,972.99 338.31,939.58 341.94,935.94 341.94,935.3 368.19,909.06 U6.2@368.19,903.62 ; v3(600,799.29) 685.71,799.29 710,775 710,716.07 756.07,670 v3(770,670)